# Altium PCB STB_LightBoard.PcbDoc (part 6 of 31)
Units mm, origin at the board's own origin, x right, y up, seen from the top; angles counter-clockwise.
Board outline 348 x 348 mm, 2 copper layers (Top Layer, Bottom Layer), stack 1.672 mm thick; 3807 components, 3391 nets, 11616 pads, 2553 vias.
Unrouted connection lines stored in the file: 68.
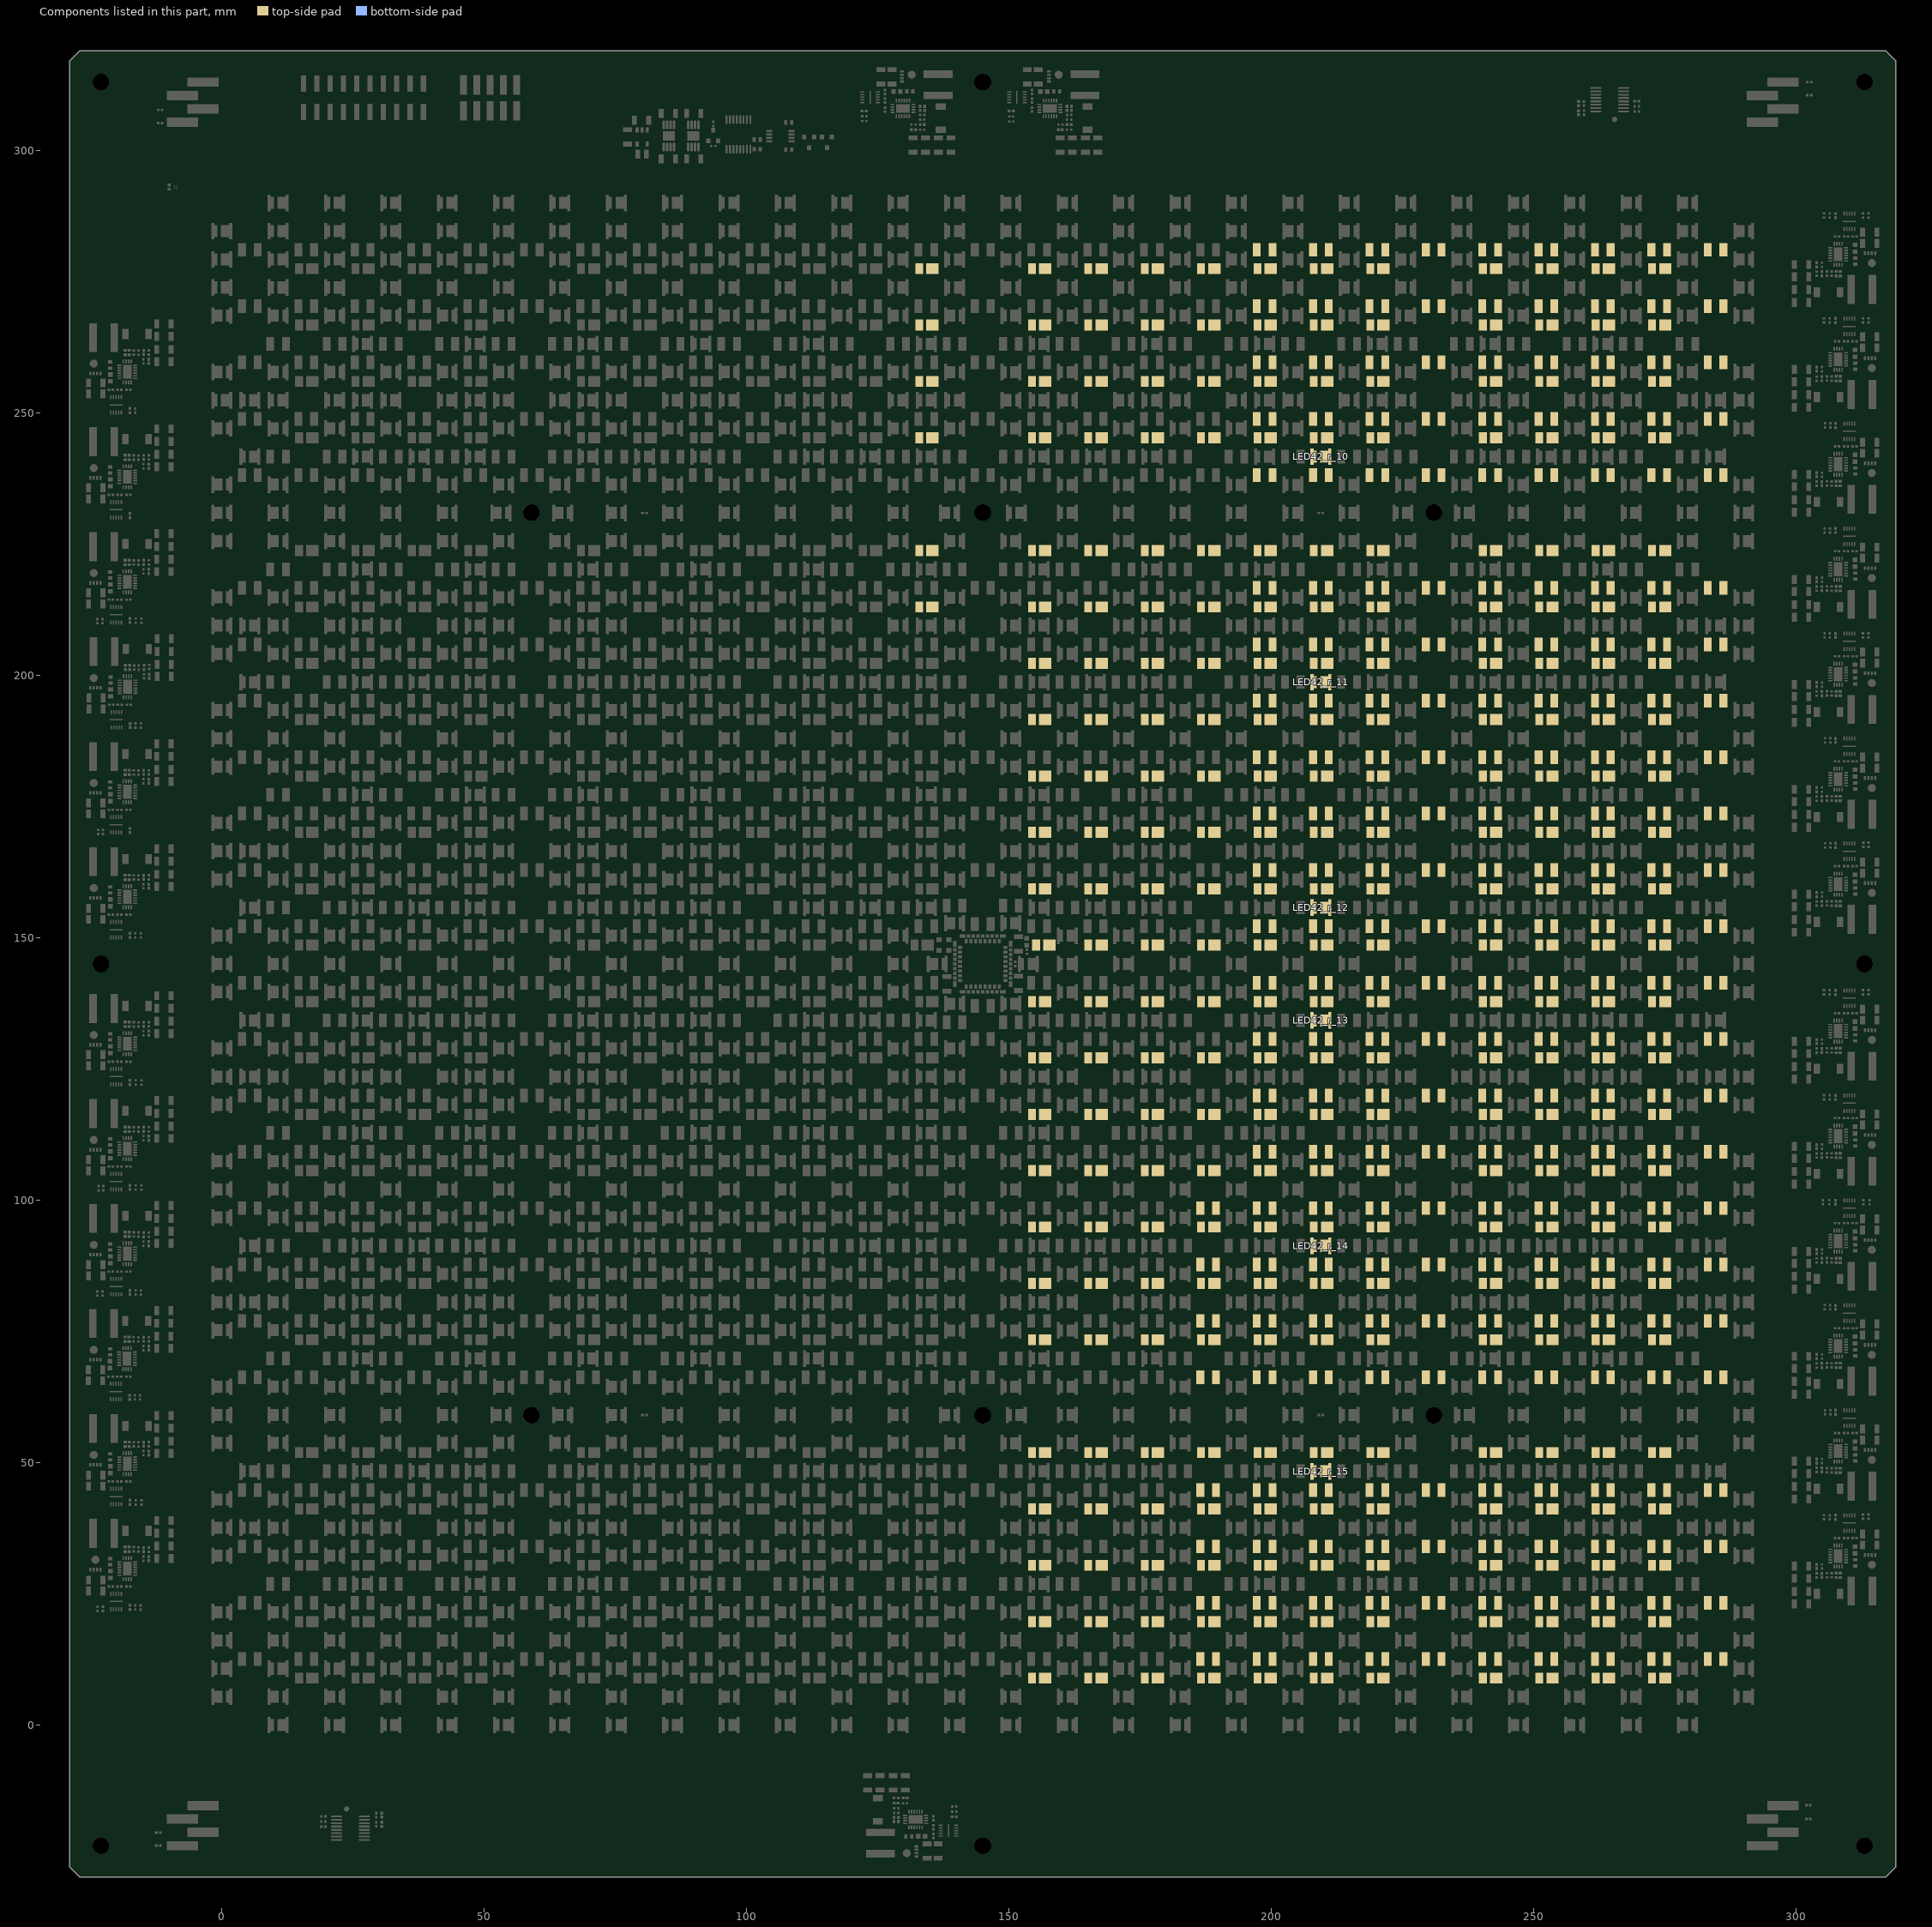
[diagram p6: the components of this part, seen from the top]

## Components (designator, comment, footprint, x,y, rotation, side; value= is the part's Value field where it differs from the comment) (continued)
LED32_IR940_34 "AREM-90C0-KL000" AREM-80C0-LM000 187.967,98.469 r180 top (schematic designator LED32)
LED32_IR940_35 "AREM-90C0-KL000" AREM-80C0-LM000 187.967,87.728 r180 top (schematic designator LED32)
LED32_IR940_40 "AREM-90C0-KL000" AREM-80C0-LM000 187.967,76.987 r180 top (schematic designator LED32)
LED32_IR940_41 "AREM-90C0-KL000" AREM-80C0-LM000 187.967,66.246 r180 top (schematic designator LED32)
LED32_IR940_42 "AREM-90C0-KL000" AREM-80C0-LM000 187.967,44.764 r180 top (schematic designator LED32)
LED32_IR940_43 "AREM-90C0-KL000" AREM-80C0-LM000 187.967,34.023 r180 top (schematic designator LED32)
LED32_IR940_44 "AREM-90C0-KL000" AREM-80C0-LM000 187.967,23.282 r180 top (schematic designator LED32)
LED32_IR940_45 "AREM-90C0-KL000" AREM-80C0-LM000 187.967,12.541 r180 top (schematic designator LED32)
LED33_IR940_10 "AREM-90C0-KL000" AREM-80C0-LM000 198.708,281.066 r180 top (schematic designator LED33)
LED33_IR940_11 "AREM-90C0-KL000" AREM-80C0-LM000 198.708,270.325 r180 top (schematic designator LED33)
LED33_IR940_12 "AREM-90C0-KL000" AREM-80C0-LM000 198.708,259.584 r180 top (schematic designator LED33)
LED33_IR940_13 "AREM-90C0-KL000" AREM-80C0-LM000 198.708,248.843 r180 top (schematic designator LED33)
LED33_IR940_14 "AREM-90C0-KL000" AREM-80C0-LM000 198.708,238.102 r180 top (schematic designator LED33)
LED33_IR940_15 "AREM-90C0-KL000" AREM-80C0-LM000 198.708,216.62 r180 top (schematic designator LED33)
LED33_IR940_20 "AREM-90C0-KL000" AREM-80C0-LM000 198.708,205.879 r180 top (schematic designator LED33)
LED33_IR940_21 "AREM-90C0-KL000" AREM-80C0-LM000 198.708,195.138 r180 top (schematic designator LED33)
LED33_IR940_22 "AREM-90C0-KL000" AREM-80C0-LM000 198.708,184.397 r180 top (schematic designator LED33)
LED33_IR940_23 "AREM-90C0-KL000" AREM-80C0-LM000 198.708,173.656 r180 top (schematic designator LED33)
LED33_IR940_24 "AREM-90C0-KL000" AREM-80C0-LM000 198.708,162.915 r180 top (schematic designator LED33)
LED33_IR940_25 "AREM-90C0-KL000" AREM-80C0-LM000 198.708,152.174 r180 top (schematic designator LED33)
LED33_IR940_30 "AREM-90C0-KL000" AREM-80C0-LM000 198.708,141.433 r180 top (schematic designator LED33)
LED33_IR940_31 "AREM-90C0-KL000" AREM-80C0-LM000 198.708,130.692 r180 top (schematic designator LED33)
LED33_IR940_32 "AREM-90C0-KL000" AREM-80C0-LM000 198.708,119.951 r180 top (schematic designator LED33)
LED33_IR940_33 "AREM-90C0-KL000" AREM-80C0-LM000 198.708,109.21 r180 top (schematic designator LED33)
LED33_IR940_34 "AREM-90C0-KL000" AREM-80C0-LM000 198.708,98.469 r180 top (schematic designator LED33)
LED33_IR940_35 "AREM-90C0-KL000" AREM-80C0-LM000 198.708,87.728 r180 top (schematic designator LED33)
LED33_IR940_40 "AREM-90C0-KL000" AREM-80C0-LM000 198.708,76.987 r180 top (schematic designator LED33)
LED33_IR940_41 "AREM-90C0-KL000" AREM-80C0-LM000 198.708,66.246 r180 top (schematic designator LED33)
LED33_IR940_42 "AREM-90C0-KL000" AREM-80C0-LM000 198.708,44.764 r180 top (schematic designator LED33)
LED33_IR940_43 "AREM-90C0-KL000" AREM-80C0-LM000 198.708,34.023 r180 top (schematic designator LED33)
LED33_IR940_44 "AREM-90C0-KL000" AREM-80C0-LM000 198.708,23.282 r180 top (schematic designator LED33)
LED33_IR940_45 "AREM-90C0-KL000" AREM-80C0-LM000 198.708,12.541 r180 top (schematic designator LED33)
LED34_IR940_10 "AREM-90C0-KL000" AREM-80C0-LM000 209.449,281.066 r180 top (schematic designator LED34)
LED34_IR940_11 "AREM-90C0-KL000" AREM-80C0-LM000 209.449,270.325 r180 top (schematic designator LED34)
LED34_IR940_12 "AREM-90C0-KL000" AREM-80C0-LM000 209.449,259.584 r180 top (schematic designator LED34)
LED34_IR940_13 "AREM-90C0-KL000" AREM-80C0-LM000 209.449,248.843 r180 top (schematic designator LED34)
LED34_IR940_14 "AREM-90C0-KL000" AREM-80C0-LM000 209.449,238.102 r180 top (schematic designator LED34)
LED34_IR940_15 "AREM-90C0-KL000" AREM-80C0-LM000 209.449,216.62 r180 top (schematic designator LED34)
LED34_IR940_20 "AREM-90C0-KL000" AREM-80C0-LM000 209.449,205.879 r180 top (schematic designator LED34)
LED34_IR940_21 "AREM-90C0-KL000" AREM-80C0-LM000 209.449,195.138 r180 top (schematic designator LED34)
LED34_IR940_22 "AREM-90C0-KL000" AREM-80C0-LM000 209.449,184.397 r180 top (schematic designator LED34)
LED34_IR940_23 "AREM-90C0-KL000" AREM-80C0-LM000 209.449,173.656 r180 top (schematic designator LED34)
LED34_IR940_24 "AREM-90C0-KL000" AREM-80C0-LM000 209.449,162.915 r180 top (schematic designator LED34)
LED34_IR940_25 "AREM-90C0-KL000" AREM-80C0-LM000 209.449,152.174 r180 top (schematic designator LED34)
LED34_IR940_30 "AREM-90C0-KL000" AREM-80C0-LM000 209.449,141.433 r180 top (schematic designator LED34)
LED34_IR940_31 "AREM-90C0-KL000" AREM-80C0-LM000 209.449,130.692 r180 top (schematic designator LED34)
LED34_IR940_32 "AREM-90C0-KL000" AREM-80C0-LM000 209.449,119.951 r180 top (schematic designator LED34)
LED34_IR940_33 "AREM-90C0-KL000" AREM-80C0-LM000 209.449,109.21 r180 top (schematic designator LED34)
LED34_IR940_34 "AREM-90C0-KL000" AREM-80C0-LM000 209.449,98.469 r180 top (schematic designator LED34)
LED34_IR940_35 "AREM-90C0-KL000" AREM-80C0-LM000 209.449,87.728 r180 top (schematic designator LED34)
LED34_IR940_40 "AREM-90C0-KL000" AREM-80C0-LM000 209.449,76.987 r180 top (schematic designator LED34)
LED34_IR940_41 "AREM-90C0-KL000" AREM-80C0-LM000 209.449,66.246 r180 top (schematic designator LED34)
LED34_IR940_42 "AREM-90C0-KL000" AREM-80C0-LM000 209.449,44.764 r180 top (schematic designator LED34)
LED34_IR940_43 "AREM-90C0-KL000" AREM-80C0-LM000 209.449,34.023 r180 top (schematic designator LED34)
LED34_IR940_44 "AREM-90C0-KL000" AREM-80C0-LM000 209.449,23.282 r180 top (schematic designator LED34)
LED34_IR940_45 "AREM-90C0-KL000" AREM-80C0-LM000 209.449,12.541 r180 top (schematic designator LED34)
LED35_IR940_10 "AREM-90C0-KL000" AREM-80C0-LM000 220.19,281.066 r180 top (schematic designator LED35)
LED35_IR940_11 "AREM-90C0-KL000" AREM-80C0-LM000 220.19,270.325 r180 top (schematic designator LED35)
LED35_IR940_12 "AREM-90C0-KL000" AREM-80C0-LM000 220.19,259.584 r180 top (schematic designator LED35)
LED35_IR940_13 "AREM-90C0-KL000" AREM-80C0-LM000 220.19,248.843 r180 top (schematic designator LED35)
LED35_IR940_14 "AREM-90C0-KL000" AREM-80C0-LM000 220.19,238.102 r180 top (schematic designator LED35)
LED35_IR940_15 "AREM-90C0-KL000" AREM-80C0-LM000 220.19,216.62 r180 top (schematic designator LED35)
LED35_IR940_20 "AREM-90C0-KL000" AREM-80C0-LM000 220.19,205.879 r180 top (schematic designator LED35)
LED35_IR940_21 "AREM-90C0-KL000" AREM-80C0-LM000 220.19,195.138 r180 top (schematic designator LED35)
LED35_IR940_22 "AREM-90C0-KL000" AREM-80C0-LM000 220.19,184.397 r180 top (schematic designator LED35)
LED35_IR940_23 "AREM-90C0-KL000" AREM-80C0-LM000 220.19,173.656 r180 top (schematic designator LED35)
LED35_IR940_24 "AREM-90C0-KL000" AREM-80C0-LM000 220.19,162.915 r180 top (schematic designator LED35)
LED35_IR940_25 "AREM-90C0-KL000" AREM-80C0-LM000 220.19,152.174 r180 top (schematic designator LED35)
LED35_IR940_30 "AREM-90C0-KL000" AREM-80C0-LM000 220.19,141.433 r180 top (schematic designator LED35)
LED35_IR940_31 "AREM-90C0-KL000" AREM-80C0-LM000 220.19,130.692 r180 top (schematic designator LED35)
LED35_IR940_32 "AREM-90C0-KL000" AREM-80C0-LM000 220.19,119.951 r180 top (schematic designator LED35)
LED35_IR940_33 "AREM-90C0-KL000" AREM-80C0-LM000 220.19,109.21 r180 top (schematic designator LED35)
LED35_IR940_34 "AREM-90C0-KL000" AREM-80C0-LM000 220.19,98.469 r180 top (schematic designator LED35)
LED35_IR940_35 "AREM-90C0-KL000" AREM-80C0-LM000 220.19,87.728 r180 top (schematic designator LED35)
LED35_IR940_40 "AREM-90C0-KL000" AREM-80C0-LM000 220.19,76.987 r180 top (schematic designator LED35)
LED35_IR940_41 "AREM-90C0-KL000" AREM-80C0-LM000 220.19,66.246 r180 top (schematic designator LED35)
LED35_IR940_42 "AREM-90C0-KL000" AREM-80C0-LM000 220.19,44.764 r180 top (schematic designator LED35)
LED35_IR940_43 "AREM-90C0-KL000" AREM-80C0-LM000 220.19,34.023 r180 top (schematic designator LED35)
LED35_IR940_44 "AREM-90C0-KL000" AREM-80C0-LM000 220.19,23.282 r180 top (schematic designator LED35)
LED35_IR940_45 "AREM-90C0-KL000" AREM-80C0-LM000 220.19,12.541 r180 top (schematic designator LED35)
LED36_IR940_10 "AREM-90C0-KL000" AREM-80C0-LM000 230.931,281.066 r180 top (schematic designator LED36)
LED36_IR940_11 "AREM-90C0-KL000" AREM-80C0-LM000 230.931,270.325 r180 top (schematic designator LED36)
LED36_IR940_12 "AREM-90C0-KL000" AREM-80C0-LM000 230.931,259.584 r180 top (schematic designator LED36)
LED36_IR940_13 "AREM-90C0-KL000" AREM-80C0-LM000 230.931,248.843 r180 top (schematic designator LED36)
LED36_IR940_14 "AREM-90C0-KL000" AREM-80C0-LM000 230.931,238.102 r180 top (schematic designator LED36)
LED36_IR940_15 "AREM-90C0-KL000" AREM-80C0-LM000 230.931,216.62 r180 top (schematic designator LED36)
LED36_IR940_20 "AREM-90C0-KL000" AREM-80C0-LM000 230.931,205.879 r180 top (schematic designator LED36)
LED36_IR940_21 "AREM-90C0-KL000" AREM-80C0-LM000 230.931,195.138 r180 top (schematic designator LED36)
LED36_IR940_22 "AREM-90C0-KL000" AREM-80C0-LM000 230.931,184.397 r180 top (schematic designator LED36)
LED36_IR940_23 "AREM-90C0-KL000" AREM-80C0-LM000 230.931,173.656 r180 top (schematic designator LED36)
LED36_IR940_24 "AREM-90C0-KL000" AREM-80C0-LM000 230.931,162.915 r180 top (schematic designator LED36)
LED36_IR940_25 "AREM-90C0-KL000" AREM-80C0-LM000 230.931,152.174 r180 top (schematic designator LED36)
LED36_IR940_30 "AREM-90C0-KL000" AREM-80C0-LM000 230.931,141.433 r180 top (schematic designator LED36)
LED36_IR940_31 "AREM-90C0-KL000" AREM-80C0-LM000 230.931,130.692 r180 top (schematic designator LED36)
LED36_IR940_32 "AREM-90C0-KL000" AREM-80C0-LM000 230.931,119.951 r180 top (schematic designator LED36)
LED36_IR940_33 "AREM-90C0-KL000" AREM-80C0-LM000 230.931,109.21 r180 top (schematic designator LED36)
LED36_IR940_34 "AREM-90C0-KL000" AREM-80C0-LM000 230.931,98.469 r180 top (schematic designator LED36)
LED36_IR940_35 "AREM-90C0-KL000" AREM-80C0-LM000 230.931,87.728 r180 top (schematic designator LED36)
LED36_IR940_40 "AREM-90C0-KL000" AREM-80C0-LM000 230.931,76.987 r180 top (schematic designator LED36)
LED36_IR940_41 "AREM-90C0-KL000" AREM-80C0-LM000 230.931,66.246 r180 top (schematic designator LED36)
LED36_IR940_42 "AREM-90C0-KL000" AREM-80C0-LM000 230.931,44.764 r180 top (schematic designator LED36)
LED36_IR940_43 "AREM-90C0-KL000" AREM-80C0-LM000 230.931,34.023 r180 top (schematic designator LED36)
LED36_IR940_44 "AREM-90C0-KL000" AREM-80C0-LM000 230.931,23.282 r180 top (schematic designator LED36)
LED36_IR940_45 "AREM-90C0-KL000" AREM-80C0-LM000 230.931,12.541 r180 top (schematic designator LED36)
LED37_IR940_10 "AREM-90C0-KL000" AREM-80C0-LM000 241.672,281.066 r180 top (schematic designator LED37)
LED37_IR940_11 "AREM-90C0-KL000" AREM-80C0-LM000 241.672,270.325 r180 top (schematic designator LED37)
LED37_IR940_12 "AREM-90C0-KL000" AREM-80C0-LM000 241.672,259.584 r180 top (schematic designator LED37)
LED37_IR940_13 "AREM-90C0-KL000" AREM-80C0-LM000 241.672,248.843 r180 top (schematic designator LED37)
LED37_IR940_14 "AREM-90C0-KL000" AREM-80C0-LM000 241.672,238.102 r180 top (schematic designator LED37)
LED37_IR940_15 "AREM-90C0-KL000" AREM-80C0-LM000 241.672,216.62 r180 top (schematic designator LED37)
LED37_IR940_20 "AREM-90C0-KL000" AREM-80C0-LM000 241.672,205.879 r180 top (schematic designator LED37)
LED37_IR940_21 "AREM-90C0-KL000" AREM-80C0-LM000 241.672,195.138 r180 top (schematic designator LED37)
LED37_IR940_22 "AREM-90C0-KL000" AREM-80C0-LM000 241.672,184.397 r180 top (schematic designator LED37)
LED37_IR940_23 "AREM-90C0-KL000" AREM-80C0-LM000 241.672,173.656 r180 top (schematic designator LED37)
LED37_IR940_24 "AREM-90C0-KL000" AREM-80C0-LM000 241.672,162.915 r180 top (schematic designator LED37)
LED37_IR940_25 "AREM-90C0-KL000" AREM-80C0-LM000 241.672,152.174 r180 top (schematic designator LED37)
LED37_IR940_30 "AREM-90C0-KL000" AREM-80C0-LM000 241.672,141.433 r180 top (schematic designator LED37)
LED37_IR940_31 "AREM-90C0-KL000" AREM-80C0-LM000 241.672,130.692 r180 top (schematic designator LED37)
LED37_IR940_32 "AREM-90C0-KL000" AREM-80C0-LM000 241.672,119.951 r180 top (schematic designator LED37)
LED37_IR940_33 "AREM-90C0-KL000" AREM-80C0-LM000 241.672,109.21 r180 top (schematic designator LED37)
LED37_IR940_34 "AREM-90C0-KL000" AREM-80C0-LM000 241.672,98.469 r180 top (schematic designator LED37)
LED37_IR940_35 "AREM-90C0-KL000" AREM-80C0-LM000 241.672,87.728 r180 top (schematic designator LED37)
LED37_IR940_40 "AREM-90C0-KL000" AREM-80C0-LM000 241.672,76.987 r180 top (schematic designator LED37)
LED37_IR940_41 "AREM-90C0-KL000" AREM-80C0-LM000 241.672,66.246 r180 top (schematic designator LED37)
LED37_IR940_42 "AREM-90C0-KL000" AREM-80C0-LM000 241.672,44.764 r180 top (schematic designator LED37)
LED37_IR940_43 "AREM-90C0-KL000" AREM-80C0-LM000 241.672,34.023 r180 top (schematic designator LED37)
LED37_IR940_44 "AREM-90C0-KL000" AREM-80C0-LM000 241.672,23.282 r180 top (schematic designator LED37)
LED37_IR940_45 "AREM-90C0-KL000" AREM-80C0-LM000 241.672,12.541 r180 top (schematic designator LED37)
LED38_IR940_10 "AREM-90C0-KL000" AREM-80C0-LM000 252.413,281.066 r180 top (schematic designator LED38)
LED38_IR940_11 "AREM-90C0-KL000" AREM-80C0-LM000 252.413,270.325 r180 top (schematic designator LED38)
LED38_IR940_12 "AREM-90C0-KL000" AREM-80C0-LM000 252.413,259.584 r180 top (schematic designator LED38)
LED38_IR940_13 "AREM-90C0-KL000" AREM-80C0-LM000 252.413,248.843 r180 top (schematic designator LED38)
LED38_IR940_14 "AREM-90C0-KL000" AREM-80C0-LM000 252.413,238.102 r180 top (schematic designator LED38)
LED38_IR940_15 "AREM-90C0-KL000" AREM-80C0-LM000 252.413,216.62 r180 top (schematic designator LED38)
LED38_IR940_20 "AREM-90C0-KL000" AREM-80C0-LM000 252.413,205.879 r180 top (schematic designator LED38)
LED38_IR940_21 "AREM-90C0-KL000" AREM-80C0-LM000 252.413,195.138 r180 top (schematic designator LED38)
LED38_IR940_22 "AREM-90C0-KL000" AREM-80C0-LM000 252.413,184.397 r180 top (schematic designator LED38)
LED38_IR940_23 "AREM-90C0-KL000" AREM-80C0-LM000 252.413,173.656 r180 top (schematic designator LED38)
LED38_IR940_24 "AREM-90C0-KL000" AREM-80C0-LM000 252.413,162.915 r180 top (schematic designator LED38)
LED38_IR940_25 "AREM-90C0-KL000" AREM-80C0-LM000 252.413,152.174 r180 top (schematic designator LED38)
LED38_IR940_30 "AREM-90C0-KL000" AREM-80C0-LM000 252.413,141.433 r180 top (schematic designator LED38)
LED38_IR940_31 "AREM-90C0-KL000" AREM-80C0-LM000 252.413,130.692 r180 top (schematic designator LED38)
LED38_IR940_32 "AREM-90C0-KL000" AREM-80C0-LM000 252.413,119.951 r180 top (schematic designator LED38)
LED38_IR940_33 "AREM-90C0-KL000" AREM-80C0-LM000 252.413,109.21 r180 top (schematic designator LED38)
LED38_IR940_34 "AREM-90C0-KL000" AREM-80C0-LM000 252.413,98.469 r180 top (schematic designator LED38)
LED38_IR940_35 "AREM-90C0-KL000" AREM-80C0-LM000 252.413,87.728 r180 top (schematic designator LED38)
LED38_IR940_40 "AREM-90C0-KL000" AREM-80C0-LM000 252.413,76.987 r180 top (schematic designator LED38)
LED38_IR940_41 "AREM-90C0-KL000" AREM-80C0-LM000 252.413,66.246 r180 top (schematic designator LED38)
LED38_IR940_42 "AREM-90C0-KL000" AREM-80C0-LM000 252.413,44.764 r180 top (schematic designator LED38)
LED38_IR940_43 "AREM-90C0-KL000" AREM-80C0-LM000 252.413,34.023 r180 top (schematic designator LED38)
LED38_IR940_44 "AREM-90C0-KL000" AREM-80C0-LM000 252.413,23.282 r180 top (schematic designator LED38)
LED38_IR940_45 "AREM-90C0-KL000" AREM-80C0-LM000 252.413,12.541 r180 top (schematic designator LED38)
LED39_IR940_10 "AREM-90C0-KL000" AREM-80C0-LM000 263.154,281.066 r180 top (schematic designator LED39)
LED39_IR940_11 "AREM-90C0-KL000" AREM-80C0-LM000 263.154,270.325 r180 top (schematic designator LED39)
LED39_IR940_12 "AREM-90C0-KL000" AREM-80C0-LM000 263.154,259.584 r180 top (schematic designator LED39)
LED39_IR940_13 "AREM-90C0-KL000" AREM-80C0-LM000 263.154,248.843 r180 top (schematic designator LED39)
LED39_IR940_14 "AREM-90C0-KL000" AREM-80C0-LM000 263.154,238.102 r180 top (schematic designator LED39)
LED39_IR940_15 "AREM-90C0-KL000" AREM-80C0-LM000 263.154,216.62 r180 top (schematic designator LED39)
LED39_IR940_20 "AREM-90C0-KL000" AREM-80C0-LM000 263.154,205.879 r180 top (schematic designator LED39)
LED39_IR940_21 "AREM-90C0-KL000" AREM-80C0-LM000 263.154,195.138 r180 top (schematic designator LED39)
LED39_IR940_22 "AREM-90C0-KL000" AREM-80C0-LM000 263.154,184.397 r180 top (schematic designator LED39)
LED39_IR940_23 "AREM-90C0-KL000" AREM-80C0-LM000 263.154,173.656 r180 top (schematic designator LED39)
LED39_IR940_24 "AREM-90C0-KL000" AREM-80C0-LM000 263.154,162.915 r180 top (schematic designator LED39)
LED39_IR940_25 "AREM-90C0-KL000" AREM-80C0-LM000 263.154,152.174 r180 top (schematic designator LED39)
LED39_IR940_30 "AREM-90C0-KL000" AREM-80C0-LM000 263.154,141.433 r180 top (schematic designator LED39)
LED39_IR940_31 "AREM-90C0-KL000" AREM-80C0-LM000 263.154,130.692 r180 top (schematic designator LED39)
LED39_IR940_32 "AREM-90C0-KL000" AREM-80C0-LM000 263.154,119.951 r180 top (schematic designator LED39)
LED39_IR940_33 "AREM-90C0-KL000" AREM-80C0-LM000 263.154,109.21 r180 top (schematic designator LED39)
LED39_IR940_34 "AREM-90C0-KL000" AREM-80C0-LM000 263.154,98.469 r180 top (schematic designator LED39)
LED39_IR940_35 "AREM-90C0-KL000" AREM-80C0-LM000 263.154,87.728 r180 top (schematic designator LED39)
LED39_IR940_40 "AREM-90C0-KL000" AREM-80C0-LM000 263.154,76.987 r180 top (schematic designator LED39)
LED39_IR940_41 "AREM-90C0-KL000" AREM-80C0-LM000 263.154,66.246 r180 top (schematic designator LED39)
LED39_IR940_42 "AREM-90C0-KL000" AREM-80C0-LM000 263.154,44.764 r180 top (schematic designator LED39)
LED39_IR940_43 "AREM-90C0-KL000" AREM-80C0-LM000 263.154,34.023 r180 top (schematic designator LED39)
LED39_IR940_44 "AREM-90C0-KL000" AREM-80C0-LM000 263.154,23.282 r180 top (schematic designator LED39)
LED39_IR940_45 "AREM-90C0-KL000" AREM-80C0-LM000 263.154,12.541 r180 top (schematic designator LED39)
LED40_IR940_10 "AREM-90C0-KL000" AREM-80C0-LM000 273.895,281.066 r180 top (schematic designator LED40)
LED40_IR940_11 "AREM-90C0-KL000" AREM-80C0-LM000 273.895,270.325 r180 top (schematic designator LED40)
LED40_IR940_12 "AREM-90C0-KL000" AREM-80C0-LM000 273.895,259.584 r180 top (schematic designator LED40)
LED40_IR940_13 "AREM-90C0-KL000" AREM-80C0-LM000 273.895,248.843 r180 top (schematic designator LED40)
LED40_IR940_14 "AREM-90C0-KL000" AREM-80C0-LM000 273.895,238.102 r180 top (schematic designator LED40)
LED40_IR940_15 "AREM-90C0-KL000" AREM-80C0-LM000 273.895,216.62 r180 top (schematic designator LED40)
LED40_IR940_20 "AREM-90C0-KL000" AREM-80C0-LM000 273.895,205.879 r180 top (schematic designator LED40)
LED40_IR940_21 "AREM-90C0-KL000" AREM-80C0-LM000 273.895,195.138 r180 top (schematic designator LED40)
LED40_IR940_22 "AREM-90C0-KL000" AREM-80C0-LM000 273.895,184.397 r180 top (schematic designator LED40)
LED40_IR940_23 "AREM-90C0-KL000" AREM-80C0-LM000 273.895,173.656 r180 top (schematic designator LED40)
LED40_IR940_24 "AREM-90C0-KL000" AREM-80C0-LM000 273.895,162.915 r180 top (schematic designator LED40)
LED40_IR940_25 "AREM-90C0-KL000" AREM-80C0-LM000 273.895,152.174 r180 top (schematic designator LED40)
LED40_IR940_30 "AREM-90C0-KL000" AREM-80C0-LM000 273.895,141.433 r180 top (schematic designator LED40)
LED40_IR940_31 "AREM-90C0-KL000" AREM-80C0-LM000 273.895,130.692 r180 top (schematic designator LED40)
LED40_IR940_32 "AREM-90C0-KL000" AREM-80C0-LM000 273.895,119.951 r180 top (schematic designator LED40)
LED40_IR940_33 "AREM-90C0-KL000" AREM-80C0-LM000 273.895,109.21 r180 top (schematic designator LED40)
LED40_IR940_34 "AREM-90C0-KL000" AREM-80C0-LM000 273.895,98.469 r180 top (schematic designator LED40)
LED40_IR940_35 "AREM-90C0-KL000" AREM-80C0-LM000 273.895,87.728 r180 top (schematic designator LED40)
LED40_IR940_40 "AREM-90C0-KL000" AREM-80C0-LM000 273.895,76.987 r180 top (schematic designator LED40)
LED40_IR940_41 "AREM-90C0-KL000" AREM-80C0-LM000 273.895,66.246 r180 top (schematic designator LED40)
LED40_IR940_42 "AREM-90C0-KL000" AREM-80C0-LM000 273.895,44.764 r180 top (schematic designator LED40)